# Altium PCB Mother_board05.PcbDoc (continued)
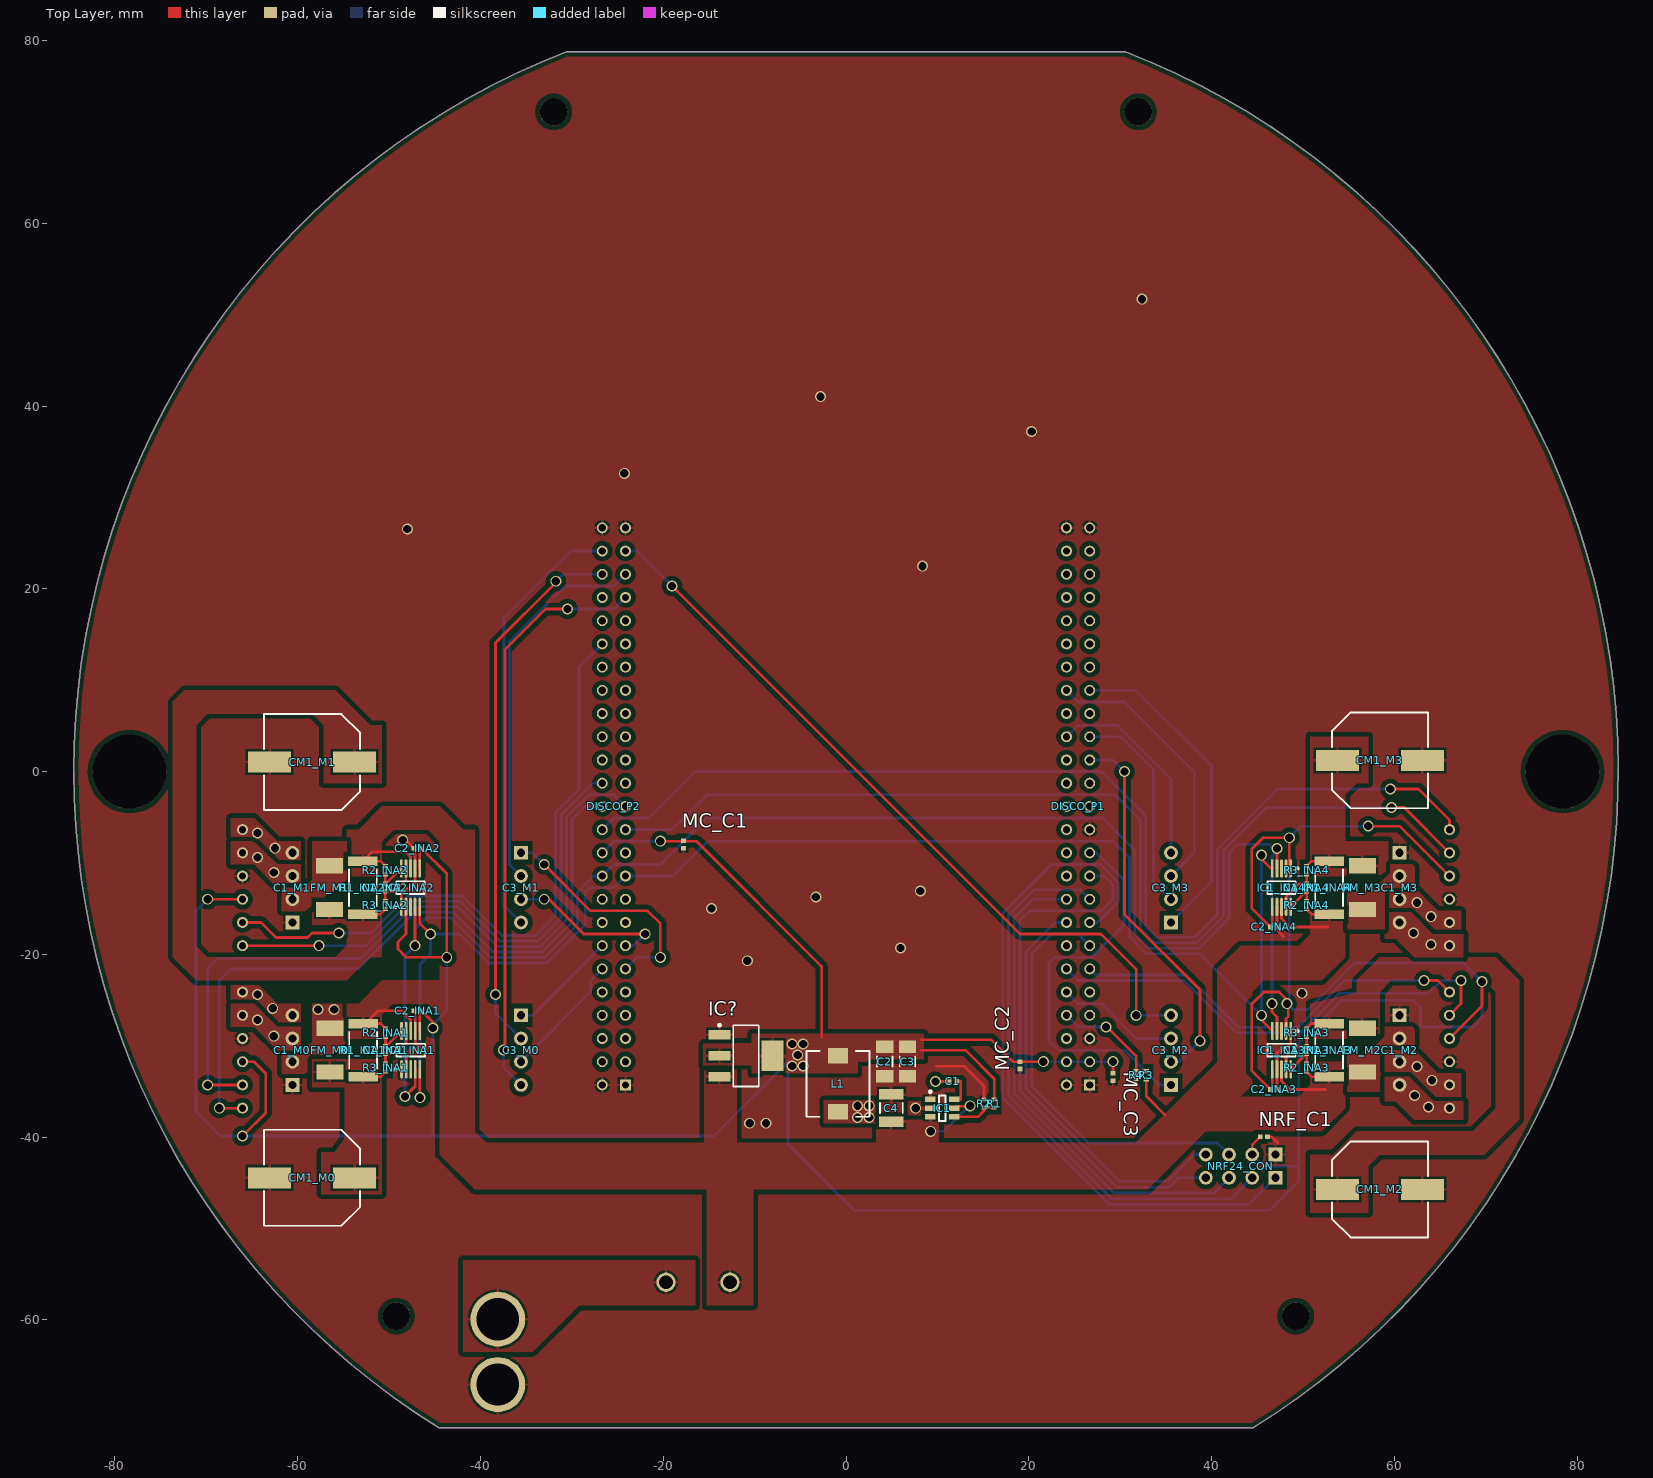
[diagram p0: Top Layer view]
## Footprints (in the part's own frame and the unit in brackets; to place one, negate y for a bottom-side part, rotate by r counter-clockwise, add the part's x,y. Pads: shape width x height; smd on the part's side, far side on the other; paste and mask are expansions set on the pad) (continued)
  oval 2x0.3 smd: 1(-2.1,1) 2(-2.1,0.5) 3(-2.1,0) 4(-2.1,-0.5) 5(-2.1,-1) 6(2.1,-1) 7(2.1,-0.5) 8(2.1,0) 9(2.1,0.5) 10(2.1,1)
  silkscreen extent -2.22,-1.55 0.7,1.82, body extent -1.55,-1.55 1.55,1.55, height 1.1

## Part data
06x01_Conector_Male_M0 06x01_Conector_Male_M1 06x01_Conector_Male_M2 06x01_Conector_Male_M3: library part 06x01_Conector_Male, "CONN HEADER 6POS .100 VERT GOLD"
BAT: library part BATTERY_CONNECTOR, "XT60 PRT-10474"
C1: library part CC0402-100nF-50v-A.3, "CAP CER 0.1UF 50V 10% X7R 0402"
C1_INA1 C1_INA2 C1_INA3 C1_INA4 C2_INA1 C2_INA2 C2_INA3 C2_INA4 MC_C1 MC_C2 MC_C3 NRF_C1: library part CC0402-100nF-A.12, "CAP CER 0.1UF 10V 20% X5R 0402"
C1_M0 C1_M1 C1_M2 C1_M3 C3_M0 C3_M1 C3_M2 C3_M3: library part 04x01_Conector_Female-SCH, "4 Position Header Connector 0.100\" (2.54mm) Through Hole Gold"
C2 C3: library part CC1206-22uF-6.3V-1, "CAP CER 22UF 6.3V 20% X5R 1206"
C4: library part CC1210-10uF-2, "CAP CER 10UF 50V 20% X5R 1210"
CM1_M0 CM1_M1 CM1_M2 CM1_M3: library part "CAP AL 680UF/16V", "Aluminum Electrolytic Capacitors - SMD Al Lytic Cap SMT FK Series 105C"
DISCO_P1 DISCO_P2: library part 25x02_Conector_Female, "50 Position Header Connector 0.100\" (2.54mm) Through Hole Gold"
FM_M0 FM_M1 FM_M2 FM_M3: library part MF-MSMF250/16X-01.A.1, "PTC RESETTABLE .30A 30V 1812"
IC1: library part TPS563200DDCT-01.A.2, "IC REG BUCK ADJ 3A SYNC 6SOT"
IC1_INA1 IC1_INA2 IC1_INA3 IC1_INA4: library part INA220BIDGST-3, "IC MONITOR PWR/CURR BIDIR 10MSOP"
IC?: library part CMP-0244-00307-1, "Fixed Low Drop Positive Voltage Regulator, 3.3V, 4-Pin SOT-223, Tape and Reel"
L1: library part CLF7045T-4R7N-H-2, "FIXED IND 4.7UH 4.1A 20 MOHM SMD"
NRF24_CON: library part 04x02_Conector_Female, "8 Position Header Connector 0.100\" (2.54mm) Through Hole Gold"
R1 R4: library part R0402-33K-7, "RES 33K OHM 1/10W 1% 0402 SMD"
R1_INA1 R1_INA2 R1_INA3 R1_INA4: library part R2512-0R02-4, "RES .02 OHM 2W 1% 2512 SMD"
R2 R3: library part R0402-10K-10, "RES 10K OHM 1/10W 1% 0402 SMD"
R2_INA1 R2_INA2 R2_INA3 R2_INA4 R3_INA1 R3_INA2 R3_INA3 R3_INA4: library part R0402-0R-7, "RES 0.0 OHM 1/16W JUMP 0402 SMD"
SW: library part "Rocker Switch", "SWITCH ROCKER SPST 15A 125V"

## Free pads (board coordinates)
  round 8.083 hole 8.083: 1(-78.408,0) 1(78.408,0)
  round 3 hole 3: 1(-49.202,-59.598) 1(-32,72.199) 1(32,72.199) 1(49.202,-59.598)

## Via types
v1: diameter 1.2, hole 0.9, Top Layer to Bottom Layer, 86 vias

## Nets (pads, with @x,y where several pads share a name; then routed paths per layer and width w, separated by ;. In a path a pad name is that pad's centre, name@x,y a point inside that pad or via, vN(x,y) a via of type N, cw(c..) or ccw(c..) an arc to the next point about the centre after c; other vN are vias at no path point)
BAT_REF: DISCO_P1.8 R3.1 R4.2 | length 12.2
  Top Layer w0.3: v1(28.448,-27.94) 28.575,-27.94 31.75,-31.115 R4.2 31.76,-32.766 R3.1
  Bottom Layer w0.3: DISCO_P1.8 25.4,-27.94 v1(28.448,-27.94)
GND: 06x01_Conector_Male_M0.4 06x01_Conector_Male_M1.4 06x01_Conector_Male_M2.4 06x01_Conector_Male_M3.4 BAT.1 C1_M0.3 C1_M1.3 C1_M2.3 C1_M3.3 C2.1 C2_INA1.2 C2_INA2.2 C2_INA3.2 C2_INA4.2 C3.1 C4.1 CM1_M0.2 CM1_M1.2 CM1_M2.2 CM1_M3.2 DISCO_P1.1 DISCO_P1.2 DISCO_P1.5 DISCO_P1.23 DISCO_P1.49 DISCO_P1.50 DISCO_P2.1 DISCO_P2.2 DISCO_P2.49 DISCO_P2.50 IC1.1 IC1_INA1.1 IC1_INA1.2 IC1_INA1.7 IC1_INA2.1 IC1_INA2.7 IC1_INA3.1 IC1_INA3.7 IC1_INA4.7 IC?.1 MC_C1.1 MC_C2.1 MC_C3.2 NRF24_CON.3 NRF_C1.2 R2.1 R4.1 | length 35.6
  Top Layer w0.3: IC1_INA2.1 -48.657,-13.351 -48.133,-12.827 -47.498,-12.827 -47.157,-12.486 IC1_INA2.7 -47.157,-8.501 C2_INA2.2 -48.166,-7.493 v1(-48.514,-7.493) ; IC1_INA1.2 -48.133,-31.115 ; C2_INA1.2 -47.133,-26.306 IC1_INA1.7 -47.133,-29.654 -46.736,-30.051 -46.736,-30.48 ; 9.906,-32.258 12.954,-32.258 15.113,-34.417 R2.1 ; NRF_C1.2 46.574,-39.97 47.244,-40.64 ; IC1_INA4.7 47.157,-16.899 C2_INA4.2 47.263,-17.418 47.879,-18.034 ; C2_INA3.2 47.157,-34.679 IC1_INA3.7 47.157,-30.821 47.625,-30.353 48.133,-30.353 48.657,-29.829 IC1_INA3.1 49.217,-28.38 49.276,-28.321
  other v1: -10.541,-38.481 -8.763,-38.481 49.911,-24.257 -10.795,-20.701 5.969,-19.304 -14.732,-14.986 -3.302,-13.716 8.128,-13.081 8.382,22.479 -48.006,26.543 -24.257,32.639 20.32,37.211 -2.794,41.021 32.385,51.689
I2C.SCL: DISCO_P2.19 IC1_INA1.5 IC1_INA2.5 IC1_INA3.5 IC1_INA4.5 | length 159.6
  Top Layer w0.3: IC1_INA2.5 -46.657,-16.589 v1(-45.466,-17.78) ; IC1_INA1.5 -46.633,-34.647 v1(-46.609,-35.687) ; v1(45.466,-26.67) 45.466,-27.189 IC1_INA3.5 ; v1(45.466,-9.144) 45.466,-9.555 46.579,-10.668 IC1_INA4.5@46.647,-10.6
  Bottom Layer w0.3: v1(-46.609,-35.687) -46.609,-21.082 -45.466,-19.939 v1(-45.466,-17.78) -42.291,-17.78 -39.129,-20.942 -32.724,-20.942 -28.532,-16.75 -28.532,-13.179 -28.053,-12.7 -25.4,-12.7 DISCO_P2.19 -18.923,-11.43 -15.113,-7.62 29.21,-7.62 31.01,-9.42 31.01,-18.056 32.893,-19.939 38.735,-19.939 v1(45.466,-26.67) v1(45.466,-9.144)
I2C.SDA: DISCO_P2.20 IC1_INA1.4 IC1_INA2.4 IC1_INA3.4 IC1_INA4.4 | length 174.6
  Top Layer w0.3: v1(-48.26,-35.56) -47.133,-34.433 IC1_INA1.4 ; v1(-47.157,-19.05) IC1_INA2.4 ; v1(46.609,-25.4) 46.609,-26.289 47.157,-26.837 IC1_INA3.4 ; IC1_INA4.4 v1(47.157,-8.422)
  Bottom Layer w0.3: v1(-48.26,-35.56) -48.26,-20.153 v1(-47.157,-19.05) -47.244,-18.963 -47.244,-17.272 -45.974,-16.002 -43.22,-16.002 -38.88,-20.342 -32.973,-20.342 -29.377,-16.746 -29.377,-13.176 -27.631,-11.43 DISCO_P2.20 -25.4,-10.16 -20.32,-10.16 -15.24,-5.08 28.067,-5.08 31.61,-8.623 31.61,-17.807 33.142,-19.339 38.619,-19.339 41.91,-16.048 41.91,-8.89 42.86,-7.94 46.294,-7.94 46.776,-8.422 v1(47.157,-8.422) 47.157,-8.723 46.609,-9.271 v1(46.609,-25.4)
M0_ENCA: 06x01_Conector_Male_M0.2 DISCO_P2.25 | length 80.8
  Top Layer w0.3: v1(-69.85,-34.29) 06x01_Conector_Male_M0.2
  Bottom Layer w0.3: v1(-69.85,-34.29) -69.85,-21.59 -68.707,-20.447 -53.086,-20.447 -47.441,-14.802 -42.475,-14.802 -38.135,-19.142 -33.47,-19.142 -30.577,-16.249 -30.577,-4.969 -28.148,-2.54 -25.4,-2.54 DISCO_P2.25
M0_ENCB: 06x01_Conector_Male_M0.1 DISCO_P2.26 | length 76.5
  Top Layer w0.3: v1(-68.58,-36.83) 06x01_Conector_Male_M0.1
  Bottom Layer w0.3: v1(-68.58,-36.83) -68.58,-22.86 -67.31,-21.59 -53.38,-21.59 -47.192,-15.402 -42.972,-15.402 -38.632,-19.742 -33.221,-19.742 -29.977,-16.498 -29.977,-5.218 -28.569,-3.81 DISCO_P2.26
M0_MAH: C3_M0.0 DISCO_P2.43 | length 64
  Top Layer w0.3: v1(-37.465,-30.48) -37.304,-30.319 -37.304,13.369 -32.893,17.78 v1(-30.48,17.78)
  Bottom Layer w0.3: v1(-37.465,-30.48) -37.465,-32.385 C3_M0.0 ; v1(-30.48,17.78) -25.4,17.78 DISCO_P2.43
M0_MAL: C3_M0.1 DISCO_P2.12 | length 13.8
  Bottom Layer w0.3: C3_M0.1 -27.94,-24.13 -27.94,-22.86 DISCO_P2.12
M0_MBH: C3_M0.2 DISCO_P2.46 | length 59.5
  Top Layer w0.3: v1(-38.354,-24.384) -38.354,14.097 -31.75,20.701 v1(-31.75,20.828)
  Bottom Layer w0.3: v1(-38.354,-24.384) -38.354,-26.416 C3_M0.2 ; v1(-31.75,20.828) -30.988,21.59 DISCO_P2.46 DISCO_P2.46@-26.797,21.717
M0_MBL: C3_M0.3 DISCO_P2.14 | length 12
  Bottom Layer w0.3: C3_M0.3 -34.29,-26.67 DISCO_P2.14
M1_ENCA: 06x01_Conector_Male_M1.2 DISCO_P2.40 | length 71.4
  Top Layer w0.3: 06x01_Conector_Male_M1.2 -64.008,-16.51 -62.357,-18.161 -58.928,-18.161 -58.42,-17.653 v1(-55.499,-17.653)
  Bottom Layer w0.3: 06x01_Conector_Male_M1.2@-66.04,-16.545 06x01_Conector_Male_M1.2 ; v1(-55.499,-17.653) -51.989,-17.653 -47.938,-13.602 -41.978,-13.602 -37.638,-17.942 -33.967,-17.942 -31.777,-15.752 -31.777,-4.472 -29.21,-1.905 -29.21,11.43 DISCO_P2.40
M1_ENCB: 06x01_Conector_Male_M1.1 DISCO_P2.28 | length 56.9
  Top Layer w0.3: 06x01_Conector_Male_M1.1 v1(-57.658,-19.05)
  Bottom Layer w0.3: v1(-57.658,-19.05) -52.538,-19.05 -47.69,-14.202 -42.226,-14.202 -37.886,-18.542 -33.718,-18.542 -31.177,-16.001 -31.177,-4.721 -27.726,-1.27 DISCO_P2.28
M1_MAH: C3_M1.0 DISCO_P2.48 | length 47.9
  Bottom Layer w0.3: C3_M1.0 -37.43,-14.64 -37.43,16.799 -30.099,24.13 DISCO_P2.48
M1_MAL: C3_M1.1 DISCO_P2.13 | length 17.3
  Top Layer w0.3: v1@-32.512,-13.97 -28.702,-17.78 v1(-21.971,-17.78)
  Bottom Layer w0.3: C3_M1.1 v1(-33.02,-13.97) ; DISCO_P2.13 -23.241,-19.05 v1(-21.971,-17.78)
M1_MBH: C3_M1.2 DISCO_P2.45 | length 41.9
  Bottom Layer w0.3: C3_M1.2 -36.83,-10.16 -36.83,14.224 -30.734,20.32 -25.4,20.32 DISCO_P2.45
M1_MBL: C3_M1.3 DISCO_P2.11 | length 26.5
  Top Layer w0.3: v1(-33.02,-10.16) -27.94,-15.24 -21.717,-15.24 -20.32,-16.637 v1(-20.32,-20.32)
  Bottom Layer w0.3: C3_M1.3 -34.29,-8.89 v1(-33.02,-10.16) ; DISCO_P2.11 -22.86,-20.32 v1(-20.32,-20.32)
M2_ENCA: 06x01_Conector_Male_M2.2 DISCO_P1.12 | length 52.8
  Top Layer w0.3: 06x01_Conector_Male_M2.2 67.31,-25.4 v1(67.31,-22.86)
  Bottom Layer w0.3: DISCO_P1.12 25.4,-22.86 36.997,-22.86 42.712,-28.575 49.703,-28.575 54.021,-24.257 63.754,-24.257 65.151,-22.86 v1(67.31,-22.86)
M2_ENCB: 06x01_Conector_Male_M2.1 DISCO_P1.11 | length 44.7
  Top Layer w0.3: v1(63.246,-22.86) 64.77,-22.86 06x01_Conector_Male_M2.1
  Bottom Layer w0.3: DISCO_P1.11 27.34,-22.26 37.246,-22.26 42.961,-27.975 49.455,-27.975 54.57,-22.86 v1(63.246,-22.86)
M2_MAH: C3_M2.0 DISCO_P2.47 | length 83.7
  Top Layer w0.3: v1(-19.05,20.32) 19.05,-17.78 27.906,-17.78 31.75,-21.624 v1(31.75,-26.67)
  Bottom Layer w0.3: DISCO_P2.47 -22.86,24.13 v1(-19.05,20.32) ; v1(31.75,-26.67) C3_M2.0
M2_MAL: C3_M2.1 DISCO_P1.10 | length 13.5
  Bottom Layer w0.3: DISCO_P1.10 25.4,-25.4 27.94,-25.4 31.75,-29.21 C3_M2.1
M2_MBH: C3_M2.2 DISCO_P1.29 | length 41.3
  Top Layer w0.3: v1(30.48,0) 30.48,-15.619 38.73,-23.869 v1@38.73,-29.471
  Bottom Layer w0.3: DISCO_P1.29 29.21,1.27 v1(30.48,0) ; C3_M2.2 36.449,-31.75 v1(38.735,-29.464)
M2_MBL: C3_M2.3 DISCO_P1.21 | length 43.7
  Bottom Layer w0.3: DISCO_P1.21 27.432,-8.89 30.41,-11.868 30.41,-16.795 26.885,-20.32 22.86,-20.32 22.225,-20.955 22.225,-29.464 23.241,-30.48 30.48,-30.48 34.29,-34.29 C3_M2.3
M3_ENCA: 06x01_Conector_Male_M3.2 DISCO_P2.23 | length 117.8
  Top Layer w0.3: v1(59.69,-3.937) 61.087,-3.937 06x01_Conector_Male_M3.2
  Bottom Layer w0.3: DISCO_P2.23 -19.05,-6.35 -15.24,-2.54 29.464,-2.54 32.21,-5.286 32.21,-17.184 33.765,-18.739 38.371,-18.739 41.31,-15.8 41.31,-8.641 46.014,-3.937 v1(59.69,-3.937)
M3_ENCB: 06x01_Conector_Male_M3.1 DISCO_P2.24 | length 123.3
  Top Layer w0.3: v1(59.563,-1.905) 62.656,-1.905 66.04,-5.289 06x01_Conector_Male_M3.1
  Bottom Layer w0.3: DISCO_P2.24 -25.4,-5.08 -21.59,-5.08 -16.51,0 27.94,0 32.81,-4.87 32.81,-16.935 34.014,-18.139 38.122,-18.139 40.64,-15.621 40.64,-8.463 47.198,-1.905 v1(59.563,-1.905)
M3_MAH: C3_M3.0 DISCO_P1.32 | length 22.5
  Bottom Layer w0.3: DISCO_P1.32 25.4,5.08 29.678,5.08 35.56,-0.802 C3_M3.0
M3_MAL: C3_M3.1 DISCO_P1.36 | length 30.1
  Bottom Layer w0.3: DISCO_P1.36 25.4,7.62 30.48,7.62 38.1,0 38.1,-8.89 C3_M3.1
M3_MBH: C3_M3.2 DISCO_P1.31 | length 23.5
  Bottom Layer w0.3: DISCO_P1.31 30.099,3.81 33.655,0.254 33.655,-12.065 C3_M3.2
M3_MBL: C3_M3.3 DISCO_P1.35 | length 35.7
  Bottom Layer w0.3: DISCO_P1.35 31.75,8.89 40.005,0.635 40.005,-12.065 C3_M3.3
MA_M0: 06x01_Conector_Male_M0.5 C1_M0.1
  other v1: -62.611,-28.956 -64.389,-27.178
MA_M1: 06x01_Conector_Male_M1.5 C1_M1.1
  other v1: -62.611,-11.049 -64.389,-9.398
MA_M2: 06x01_Conector_Male_M2.5 C1_M2.1
  other v1: 64.135,-33.782 62.484,-32.258
MA_M3: 06x01_Conector_Male_M3.5 C1_M3.1
  other v1: 64.008,-15.875 62.484,-14.351
MB_M0: 06x01_Conector_Male_M0.6 C1_M0.0
  other v1: -62.738,-25.908 -64.389,-24.384
MB_M1: 06x01_Conector_Male_M1.6 C1_M1.0
  other v1: -62.484,-8.382 -64.389,-6.731
MB_M2: 06x01_Conector_Male_M2.6 C1_M2.0
  other v1: 63.754,-36.703 62.23,-35.433
MB_M3: 06x01_Conector_Male_M3.6 C1_M3.0
  other v1: 64.008,-18.923 62.103,-17.653
MISO: DISCO_P1.18 NRF24_CON.5 | length 54.4
  Bottom Layer w0.3: DISCO_P1.18 20.445,-13.97 18.42,-15.995 18.42,-35.186 29.345,-46.111 40.249,-46.111 NRF24_CON.5
MOSI: DISCO_P1.17 NRF24_CON.6 | length 62.5
  Bottom Layer w0.3: DISCO_P1.17 25.62,-12.92 20.604,-12.92 17.79,-15.734 17.79,-35.447 29.084,-46.741 42.159,-46.741 NRF24_CON.6
NetBAT_0: BAT.0 SW.0
NetC1_1: C1.1 IC1.6 | length 3.2
  Top Layer w0.3: IC1.6 12.566,-35.88 12.566,-33.909 C1.1
NetC1_2: C1.2 IC1.2 L1.1 | length 1.5
  Top Layer w0.3: v1(9.779,-33.909) C1.2
  other v1: 1.27,-37.846 2.54,-37.846 7.62,-36.83 1.27,-36.576 2.54,-36.576
NetC1_INA1_1: C1_INA1.1 IC1_INA1.10 R2_INA1.1 | length 3.5
  Top Layer w0.3: R2_INA1.1 C1_INA1.1 -50.343,-30.08 IC1_INA1.10@-48.643,-28.38
NetC1_INA1_2: C1_INA1.2 IC1_INA1.9 R3_INA1.1 | length 5.1
  Top Layer w0.3: R3_INA1.1 C1_INA1.2 -49.358,-30.88 -48.133,-29.654 IC1_INA1.9
NetC1_INA2_1: C1_INA2.1 IC1_INA2.10 R2_INA2.1 | length 3.5
  Top Layer w0.3: R2_INA2.1 C1_INA2.1 -48.712,-10.6 IC1_INA2.10@-48.667,-10.6
NetC1_INA2_2: C1_INA2.2 IC1_INA2.9 R3_INA2.1 | length 5.1
  Top Layer w0.254: R3_INA2.1 C1_INA2.2 -49.422,-13.1 -48.157,-11.835 IC1_INA2.9
NetC1_INA3_1: C1_INA3.1 IC1_INA3.10 R2_INA3.1 | length 3.5
  Top Layer w0.3: IC1_INA3.10@48.667,-32.58 50.367,-30.88 C1_INA3.1 R2_INA3.1
NetC1_INA3_2: C1_INA3.2 IC1_INA3.9 R3_INA3.1 | length 5.1
  Top Layer w0.3: IC1_INA3.9 48.157,-31.306 49.383,-30.08 C1_INA3.2 R3_INA3.1
NetC1_INA4_1: C1_INA4.1 IC1_INA4.10 R2_INA4.1 | length 3.5
  Top Layer w0.3: IC1_INA4.10 50.357,-13.1 C1_INA4.1 R2_INA4.1
NetC1_INA4_2: C1_INA4.2 IC1_INA4.9 R3_INA4.1 | length 5
  Top Layer w0.3: IC1_INA4.9 48.157,-13.743 49.6,-12.3 C1_INA4.2 R3_INA4.1
NetC1_M0_2: C1_M0.2 FM_M0.1
  other v1: -57.785,-26.035 -56.007,-26.035
NetC1_M1_2: C1_M1.2 FM_M1.1
NetC1_M2_2: C1_M2.2 FM_M2.1
NetC1_M3_2: C1_M3.2 FM_M3.1
NetCM1_M0_1: CM1_M0.1 FM_M0.2 R1_INA1.1 R3_INA1.2 | length 2.7
  Top Layer w0.3: R1_INA1.1 -50.933,-33.38 R3_INA1.2
NetCM1_M1_1: CM1_M1.1 FM_M1.2 R1_INA2.1 R3_INA2.2 | length 2.7
  Top Layer w0.3: R1_INA2.1 -50.957,-15.6 R3_INA2.2
NetCM1_M2_1: CM1_M2.1 FM_M2.2 R1_INA3.1 R3_INA3.2 | length 2.7
  Top Layer w0.3: R3_INA3.2 50.957,-27.58 R1_INA3.1
NetCM1_M3_1: CM1_M3.1 FM_M3.2 R1_INA4.1 R3_INA4.2 | length 2.7
  Top Layer w0.3: R3_INA4.2 50.957,-9.8 R1_INA4.1
NetIC1_4: IC1.4 R1.1 R2.2 | length 5
  Top Layer w0.3: IC1.4 14.447,-37.78 15.113,-37.114 R2.2 R1.1
NRF_CE: DISCO_P1.13 NRF24_CON.1 | length 46.9
  Bottom Layer w0.3: DISCO_P1.13 25.4,-17.78 22.479,-17.78 20.32,-19.939 20.32,-34.417 26.543,-40.64 40.64,-40.64 NRF24_CON.1
NRF_CS#: DISCO_P1.16 NRF24_CON.0 | length 45.8
  Bottom Layer w0.3: DISCO_P1.16 22.872,-16.51 19.7,-19.682 19.7,-34.674 29.857,-44.831 35.179,-44.831 38.1,-41.91 NRF24_CON.0
NRF_IRQ: DISCO_P1.19 NRF24_CON.4 | length 59.4
  Bottom Layer w0.3: DISCO_P1.19 28.275,-11.43 29.21,-12.365 29.21,-13.97 27.94,-15.24 20.066,-15.24 19.05,-16.256 19.05,-34.925 29.606,-45.481 35.378,-45.481 36.409,-44.45 NRF24_CON.4
SCK: DISCO_P1.15 NRF24_CON.7 | length 78
  Bottom Layer w0.3: DISCO_P1.15 27.519,-16.51 29.81,-14.219 29.81,-12.117 27.853,-10.16 22.473,-10.16 17.16,-15.473 17.16,-35.708 28.823,-47.371 44.069,-47.371 NRF24_CON.7
"V+ BAT_INA1": C4.2 IC1.3 IC1.5 IC1_INA1.8 IC1_INA2.8 IC1_INA3.8 IC1_INA4.8 IC?.3 R1_INA1.2 R1_INA2.2 R1_INA3.2 R1_INA4.2 R2_INA1.2 R2_INA2.2 R2_INA3.2 R2_INA4.2 R3.2 SW.1 | length 50
  Top Layer w0.3: R2_INA2.2 -50.957,-9.8 R1_INA2.2 -51.829,-8.763 -48.22,-8.763 -47.657,-9.326 IC1_INA2.8 ; R2_INA1.2 -50.933,-27.58 -52.578,-27.58 -51.16,-26.162 -48.641,-26.162 -47.633,-27.17 IC1_INA1.8 ; IC1.5 12.041,-36.63 13.535,-36.63 v1(13.589,-36.576) ; R3.2 32.854,-35.521 34.925,-37.592 ; IC1_INA3.8 47.657,-33.854 48.601,-34.798 52.451,-34.798 ; IC1_INA4.8 47.657,-16.074 48.601,-17.018 52.705,-17.018 ; R2_INA3.2 50.957,-33.38 R1_INA3.2 ; R2_INA4.2 50.957,-15.6 R1_INA4.2
  Bottom Layer w0.3: v1(9.271,-39.37) 10.661,-39.37 13.455,-36.576 v1(13.589,-36.576)
VCC: 06x01_Conector_Male_M0.3 06x01_Conector_Male_M1.3 06x01_Conector_Male_M2.3 06x01_Conector_Male_M3.3 C2.2 C2_INA1.1 C2_INA2.1 C2_INA3.1 C2_INA4.1 C3.2 DISCO_P1.3 DISCO_P1.4 DISCO_P2.22 IC1_INA1.6 IC1_INA2.2 IC1_INA2.6 IC1_INA3.2 IC1_INA3.6 IC1_INA4.1 IC1_INA4.2 IC1_INA4.6 IC?.2 IC?.4 L1.2 MC_C1.2 MC_C2.2 MC_C3.1 NRF24_CON.2 NRF_C1.1 R1.2 | length 464.3
  Top Layer w0.254: IC1_INA2.6 -46.657,-8.59 C2_INA2.1 ; IC1_INA1.6 -46.633,-26.345 C2_INA1.1 ; C2_INA3.1 46.657,-34.59 IC1_INA3.6 ; C2_INA4.1 46.657,-16.81 IC1_INA4.6
  Top Layer w0.3: v1(-69.85,-13.97) 06x01_Conector_Male_M1.3 ; v1(-66.04,-39.878) -63.5,-37.338 -63.5,-33.02 -64.77,-31.75 06x01_Conector_Male_M0.3 ; IC1_INA2.2 -48.157,-17.78 -49.022,-18.645 -49.022,-19.431 -48.133,-20.32 v1(-43.688,-20.32) -43.688,-11.171 C2_INA2.1 ; C2_INA1.1 -45.212,-27.427 v1(-45.212,-28.067) ; v1(-20.32,-7.62) -16.379,-7.62 -2.667,-21.332 -2.667,-29.083 ; 8.255,-30.48 13.081,-30.48 16.217,-33.616 R1.2 ; 8.255,-29.337 15.875,-29.337 18.288,-31.75 MC_C2.2 v1(21.59,-31.75) ; MC_C3.1 v1(29.21,-31.75) ; NRF24_CON.2 44.45,-40.84 NRF_C1.1 ; C2_INA3.1 44.389,-32.71 44.389,-25.461 45.72,-24.13 47.401,-24.13 48.402,-25.131 48.402,-26.782 48.157,-27.027 IC1_INA3.2 ; C2_INA4.1 44.389,-14.93 44.389,-8.496 45.646,-7.239 v1(48.514,-7.239) 48.514,-10.243 IC1_INA4.2 IC1_INA4.1 ; v1(57.15,-5.969) 60.579,-5.969 06x01_Conector_Male_M3.3 ; 06x01_Conector_Male_M2.3 69.596,-25.654 v1(69.596,-22.987)
  Bottom Layer w0.3: v1(-69.85,-13.97) -71.12,-15.24 -71.12,-37.211 -68.453,-39.878 v1(-66.04,-39.878) -45.212,-39.878 ; v1(-43.688,-20.32) -43.688,-26.162 -45.212,-27.686 v1(-45.212,-28.067) -45.212,-39.878 ; DISCO_P2.22 -25.4,-7.62 v1(-20.32,-7.62) ; v1(21.59,-31.75) DISCO_P1.4 DISCO_P1.3 v1(29.21,-31.75) ; NRF24_CON.2 45.72,-43.18 49.53,-43.18 ; v1(57.15,-5.969) 49.784,-5.969 v1(48.514,-7.239) 48.514,-25.146 v1(48.26,-25.4) 48.895,-26.035 50.546,-26.035 55.626,-20.955 67.564,-20.955 v1(69.596,-22.987) 69.596,-26.924 68.58,-27.94 62.992,-27.94 62.865,-27.813 62.865,-25.781 62.103,-25.019 54.229,-25.019 49.53,-29.718 49.53,-43.18 ; -45.212,-39.878 -14.478,-39.878 -6.35,-31.75 -6.35,-40.767 0.889,-48.006 46.355,-48.006 49.53,-44.831 49.53,-43.18
  other v1: -5.889,-32.207 -4.689,-32.207 -5.289,-31.007 -5.889,-29.807 -4.689,-29.807
pads on no net: DISCO_P1.6 DISCO_P1.7 DISCO_P1.9 DISCO_P1.14 DISCO_P1.20 DISCO_P1.22 DISCO_P1.24 DISCO_P1.25 DISCO_P1.26 DISCO_P1.27 DISCO_P1.28 DISCO_P1.30 DISCO_P1.33 DISCO_P1.34 DISCO_P1.37 DISCO_P1.38 DISCO_P1.39 DISCO_P1.40 DISCO_P1.41 DISCO_P1.42 DISCO_P1.43 DISCO_P1.44 DISCO_P1.45 DISCO_P1.46 DISCO_P1.47 DISCO_P1.48 DISCO_P2.3 DISCO_P2.4 DISCO_P2.5 DISCO_P2.6 DISCO_P2.7 DISCO_P2.8 DISCO_P2.9 DISCO_P2.10 DISCO_P2.15 DISCO_P2.16 DISCO_P2.17 DISCO_P2.18 DISCO_P2.21 DISCO_P2.27 DISCO_P2.29 DISCO_P2.30 DISCO_P2.31 DISCO_P2.32 DISCO_P2.33 DISCO_P2.34 DISCO_P2.35 DISCO_P2.36 DISCO_P2.37 DISCO_P2.38 DISCO_P2.39 DISCO_P2.41 DISCO_P2.42 DISCO_P2.44 IC1_INA1.3 IC1_INA2.3 IC1_INA3.3 IC1_INA4.3

## Polygon pours and split planes (outlines as drawn)
VCC on Top Layer "Top Layer-No Net" (solid, remove dead copper, pour order 76): 8.509,-28.702 8.509,-31.75 1.27,-31.75 1.27,-33.02 -10.287,-33.02 -10.287,-32.131 -15.621,-32.131 -15.621,-29.718 -10.287,-29.718 -10.287,-28.702
GND on Top Layer "Top Layer-No Net" (solid, remove dead copper, pour order 66): 10.16,-36.322 6.266,-36.322 6.266,-36.83 2.667,-36.83 2.667,-32.004 10.16,-32.004
"V+ BAT_INA1" on Top Layer "Top Layer-No Net" (solid, remove dead copper, pour order 44): -54.61,-29.21 -54.61,-26.67 -54.61,-25.4 -53.34,-25.4 -50.8,-22.86 -45.72,-22.86 -44.45,-22.86 -44.45,-7.672 -45.72,-6.35 -49.478,-6.35 -50.8,-7.672 -50.8,-11.43 -54.61,-11.482 -54.61,-7.62 -54.61,-6.35 -53.34,-6.35 -50.8,-3.81 -44.45,-3.81 -41.91,-6.35 -40.64,-6.35 -40.64,-39.37 -39.37,-40.64 31.719,-40.64 40.64,-31.786 40.64,-21.592 43.182,-19.05 49.53,-19.05 50.8,-17.78 50.8,-14.418 54.61,-14.521 54.61,-20.306 52.056,-22.86 45.72,-22.86 44.45,-24.13 44.45,-30.466 44.45,-34.276 43.166,-35.56 49.53,-35.56 50.8,-34.29 50.8,-31.752 54.61,-31.752 54.61,-36.816 52.056,-39.37 39.356,-39.37 33.046,-45.72 -10.16,-45.72 -10.16,-58.42 -15.24,-58.42 -15.24,-45.72 -20.32,-45.72 -40.64,-45.72 -44.45,-41.91 -44.45,-26.67 -45.72,-25.4 -49.584,-25.4 -50.8,-26.616 -50.8,-29.21
NetC1_M2_2 on Top Layer "Top Layer-No Net" (solid, remove dead copper, pour order 42): 58.928,-35.052 54.875,-35.052 54.864,-30.988 56.896,-30.988 58.928,-28.956 58.928,-27.94 61.976,-27.94 62.23,-28.194 62.23,-30.48 58.928,-30.48
NetCM1_M0_1 on Top Layer "Top Layer-No Net" (solid, remove dead copper, pour order 36): -50.982,-31.496 -50.8,-31.678 -50.8,-46.228 -57.404,-46.228 -57.404,-41.656 -55.946,-41.656 -54.864,-40.132 -54.864,-34.544 -54.864,-31.496
NetCM1_M0_1 on Top Layer "Top Layer-No Net" (solid, remove dead copper, pour order 34): -58.42,-31.496 -50.933,-31.496 -50.933,-34.544 -58.42,-34.544
MA_M3 on Top Layer "Top Layer-No Net" (solid, remove dead copper, pour order 14): 58.928,-12.7 62.23,-12.7 64.77,-15.24 67.31,-15.24 67.31,-17.78 64.516,-17.78 61.976,-15.24 58.928,-15.24
MB_M3 on Top Layer "MB_M3_L01_P013" (solid, pour order 13): 58.928,-15.418 58.928,-18.288 60.162,-18.288 62.194,-20.32 67.564,-20.32 67.564,-18.034 67.564,-17.78 67.31,-17.78 64.211,-17.78 61.849,-15.418
MB_M2 on Top Layer "MB_M2_L01_P012" (solid, remove dead copper, pour order 12): 58.928,-33.02 58.928,-36.068 60.162,-36.068 62.194,-38.1 67.564,-38.1 67.564,-35.814 67.31,-35.56 64.059,-35.56 61.519,-33.02
MA_M2 on Top Layer "MA_M2_L01_P011" (solid, remove dead copper, pour order 11): 58.928,-30.48 62.23,-30.48 64.77,-33.02 67.31,-33.02 67.31,-35.56 64.516,-35.56 61.824,-32.868 58.928,-32.868
NetCM1_M1_1 on Top Layer "Top Layer-No Net" (solid, remove dead copper, pour order 46): -50.8,-16.764 -50.8,-14.732 -54.61,-14.732 -54.61,-13.462 -58.42,-13.462 -58.42,-16.764 -54.61,-16.764 -54.61,-19.05 -55.88,-20.32 -69.886,-20.32 -71.12,-19.086 -71.12,5.08 -69.891,6.309 -58.42,6.35 -57.15,5.08 -57.15,-1.27 -50.8,-1.27 -50.8,2.479 -50.8,5.08 -52.07,5.08 -55.88,8.89 -72.39,8.89 -73.66,7.62 -73.66,-20.32 -71.12,-22.86 -58.42,-22.86 -54.61,-22.86 -52.07,-20.32 -50.8,-20.32 -50.8,-19.05 -50.8,-16.256
NetCM1_M2_1 on Top Layer "Top Layer-No Net" (solid, remove dead copper, pour order 48): 58.42,-29.21 58.42,-22.86 58.42,-24.13 59.69,-22.86 69.85,-22.86 71.12,-24.13 71.12,-36.83 68.58,-39.37 55.88,-39.37 53.34,-41.91 50.8,-41.91 50.8,-48.26 57.15,-48.26 57.15,-43.18 58.42,-41.91 69.85,-41.91 73.66,-38.1 73.66,-22.86 71.12,-20.32 58.42,-20.32 55.88,-22.86 55.88,-24.13 50.8,-25.4 50.8,-29.21
NetCM1_M3_1 on Top Layer "Top Layer-No Net" (solid, remove dead copper, pour order 50): 57.15,3.81 50.8,3.81 50.8,-11.43 54.483,-11.43 54.61,-11.43 54.61,-11.303 59.69,-11.303 59.69,-7.62 54.61,-7.62 54.61,-2.54 55.88,-1.27 57.15,-1.27
NetC1_M3_2 on Top Layer "Top Layer-No Net" (solid, remove dead copper, pour order 6): 58.928,-17.272 54.875,-17.272 54.864,-13.208 57.404,-13.208 59.563,-11.049 59.563,-10.16 61.976,-10.16 62.23,-10.414 62.23,-12.7 58.928,-12.7
NetBAT_0 on Top Layer "Top Layer-No Net" (solid, remove dead copper, pour order 64): -16.51,-53.467 -16.51,-58.42 -29.21,-58.42 -34.29,-63.5 -41.91,-63.5 -41.91,-53.467
"V+ BAT_INA1" on Top Layer "Top Layer-No Net" (solid, remove dead copper, pour order 68): 10.16,-37.274 3.302,-37.275 3.302,-42.22 10.16,-42.22
NetC1_2 on Top Layer "Top Layer-No Net" (solid, remove dead copper, pour order 9): 10.16,-36.068 10.16,-37.592 6.731,-37.592 6.731,-36.068
NetC1_2 on Top Layer "Top Layer-No Net" (solid, remove dead copper, pour order 8): 3.175,-35.941 3.175,-38.481 -2.413,-38.481 -2.413,-35.941
"V+ BAT_INA1" on Top Layer "Top Layer-No Net" (solid, remove dead copper, pour order 78): -15.494,-32.258 -11.938,-32.258 -11.938,-41.402 -15.494,-41.402
MA_M0 on Top Layer "Top Layer-No Net" (solid, remove dead copper, pour order 94): -59.69,-30.48 -59.69,-27.94 -62.23,-27.94 -64.77,-25.4 -67.31,-25.4 -67.31,-27.94 -64.77,-27.94 -62.23,-30.48
MB_M0 on Top Layer "Top Layer-No Net" (solid, remove dead copper, pour order 96): -59.69,-27.94 -59.69,-25.4 -62.23,-25.4 -64.77,-22.86 -67.31,-22.86 -67.31,-25.4 -64.77,-25.4 -62.23,-27.94
MA_M1 on Top Layer "Top Layer-No Net" (solid, remove dead copper, pour order 98): -59.69,-12.7 -59.69,-10.16 -62.23,-10.16 -64.77,-7.62 -67.31,-7.62 -67.31,-10.16 -64.77,-10.16 -62.23,-12.7
MB_M1 on Top Layer "Top Layer-No Net" (solid, remove dead copper, pour order 100): -59.69,-10.16 -59.69,-7.62 -62.23,-7.62 -64.77,-5.08 -67.31,-5.08 -67.31,-7.62 -64.77,-7.62 -62.23,-10.16
NetC1_M0_2 on Top Layer "Top Layer-No Net" (solid, remove dead copper, pour order 102): -54.61,-25.4 -58.42,-25.4 -58.42,-29.591 -59.309,-30.48 -59.69,-30.48 -61.849,-30.48 -61.722,-30.607 -61.722,-33.147 -59.309,-33.147 -54.61,-29.591
NetC1_M1_2 on Top Layer "Top Layer-No Net" (solid, remove dead copper, pour order 7): -54.61,-7.62 -58.42,-7.62 -58.42,-11.811 -59.309,-12.7 -59.69,-12.7 -61.849,-12.7 -61.722,-12.827 -61.722,-15.367 -59.309,-15.367 -54.61,-11.811
GND on Top Layer "Top Layer-No Net" (solid, remove dead copper, pour order 112): 108.327,98.987 108.327,-77.543 108.581,-77.797 103.628,-82.75 -113.923,-82.75 -113.923,85.017 -104.525,94.415
NetBAT_0 on Bottom Layer "Top Layer-No Net" (solid, remove dead copper, pour order 10): -16.51,-53.34 -16.51,-58.42 -24.13,-58.42 -29.21,-58.42 -34.29,-63.5 -41.91,-63.5 -41.91,-55.88 -41.91,-53.34
NetC1_2 on Bottom Layer "Top Layer-No Net" (solid, remove dead copper, pour order 70): 10.541,-33.02 10.541,-34.671 8.636,-34.671 8.636,-38.481 0.623,-38.481 0.623,-35.941 6.223,-35.941 6.223,-33.02 10.414,-33.02
VCC on Bottom Layer "Top Layer-No Net" (solid, remove dead copper, pour order 80): -3.81,-27.94 -7.62,-27.94 -7.62,-34.29 -3.81,-34.29
MB_M0 on Bottom Layer "Top Layer-No Net" (solid, remove dead copper, pour order 92): -59.69,-27.94 -59.69,-25.4 -62.23,-25.4 -64.77,-22.86 -67.31,-22.86 -67.31,-25.4 -64.77,-25.4 -62.23,-27.94
MA_M0 on Bottom Layer "Top Layer-No Net" (solid, remove dead copper, pour order 90): -59.69,-30.48 -59.69,-27.94 -62.23,-27.94 -64.77,-25.4 -67.31,-25.4 -67.31,-27.94 -64.77,-27.94 -62.23,-30.48
MB_M1 on Bottom Layer "Top Layer-No Net" (solid, remove dead copper, pour order 86): -59.69,-10.16 -59.69,-7.62 -62.23,-7.62 -64.77,-5.08 -67.31,-5.08 -67.31,-7.62 -64.77,-7.62 -62.23,-10.16
MA_M1 on Bottom Layer "Top Layer-No Net" (solid, remove dead copper, pour order 88): -59.69,-12.7 -59.69,-10.16 -62.23,-10.16 -64.77,-7.62 -67.31,-7.62 -67.31,-10.16 -64.77,-10.16 -62.23,-12.7
MA_M2 on Bottom Layer "MA_M2_L02_P005" (solid, remove dead copper, pour order 5): 58.928,-30.48 62.23,-30.48 64.77,-33.02 67.31,-33.02 67.31,-35.56 64.516,-35.56 61.824,-32.868 58.928,-32.868
MB_M2 on Bottom Layer "MB_M2_L02_P004" (solid, remove dead copper, pour order 4): 58.928,-33.02 58.928,-36.068 60.162,-36.068 62.194,-38.1 67.564,-38.1 67.564,-35.814 67.31,-35.56 64.059,-35.56 61.519,-33.02
GND on Bottom Layer "Top Layer-No Net" (solid, remove dead copper, pour order 110): 103.759,87.122 98.044,81.407 98.044,-81.661 -114.554,-81.661 -121.158,-75.057 -109.093,-62.992 -109.093,84.074
MA_M3 on Bottom Layer "Top Layer-No Net" (solid, remove dead copper, pour order 2): 58.928,-12.7 62.23,-12.7 64.77,-15.24 67.31,-15.24 67.31,-17.78 64.516,-17.78 61.976,-15.24 58.928,-15.24
MB_M3 on Bottom Layer "MB_M3_L02_P003" (solid, pour order 3): 58.928,-15.418 58.928,-18.288 60.162,-18.288 62.194,-20.32 67.564,-20.32 67.564,-18.034 67.564,-17.78 67.31,-17.78 64.211,-17.78 61.849,-15.418
NetC1_M0_2 on Bottom Layer "Top Layer-No Net" (solid, remove dead copper, pour order 1): -54.61,-25.4 -58.42,-25.4 -58.42,-29.591 -59.309,-30.48 -59.69,-30.48 -61.849,-30.48 -61.722,-30.607 -61.722,-33.147 -59.309,-33.147 -54.61,-29.591
NetC1_M1_2 on Bottom Layer "Top Layer-No Net" (solid, remove dead copper, pour order 0): -54.61,-7.62 -58.42,-7.62 -58.42,-11.811 -59.309,-12.7 -59.69,-12.7 -61.849,-12.7 -61.722,-12.827 -61.722,-15.367 -59.309,-15.367 -54.61,-11.811

## Keep-outs
Keep-Out Layer:
  the board outline again, w0.05